# Altium PCB Whitespace_Daughtercard.PcbDoc (part 1 of 5) (continued)
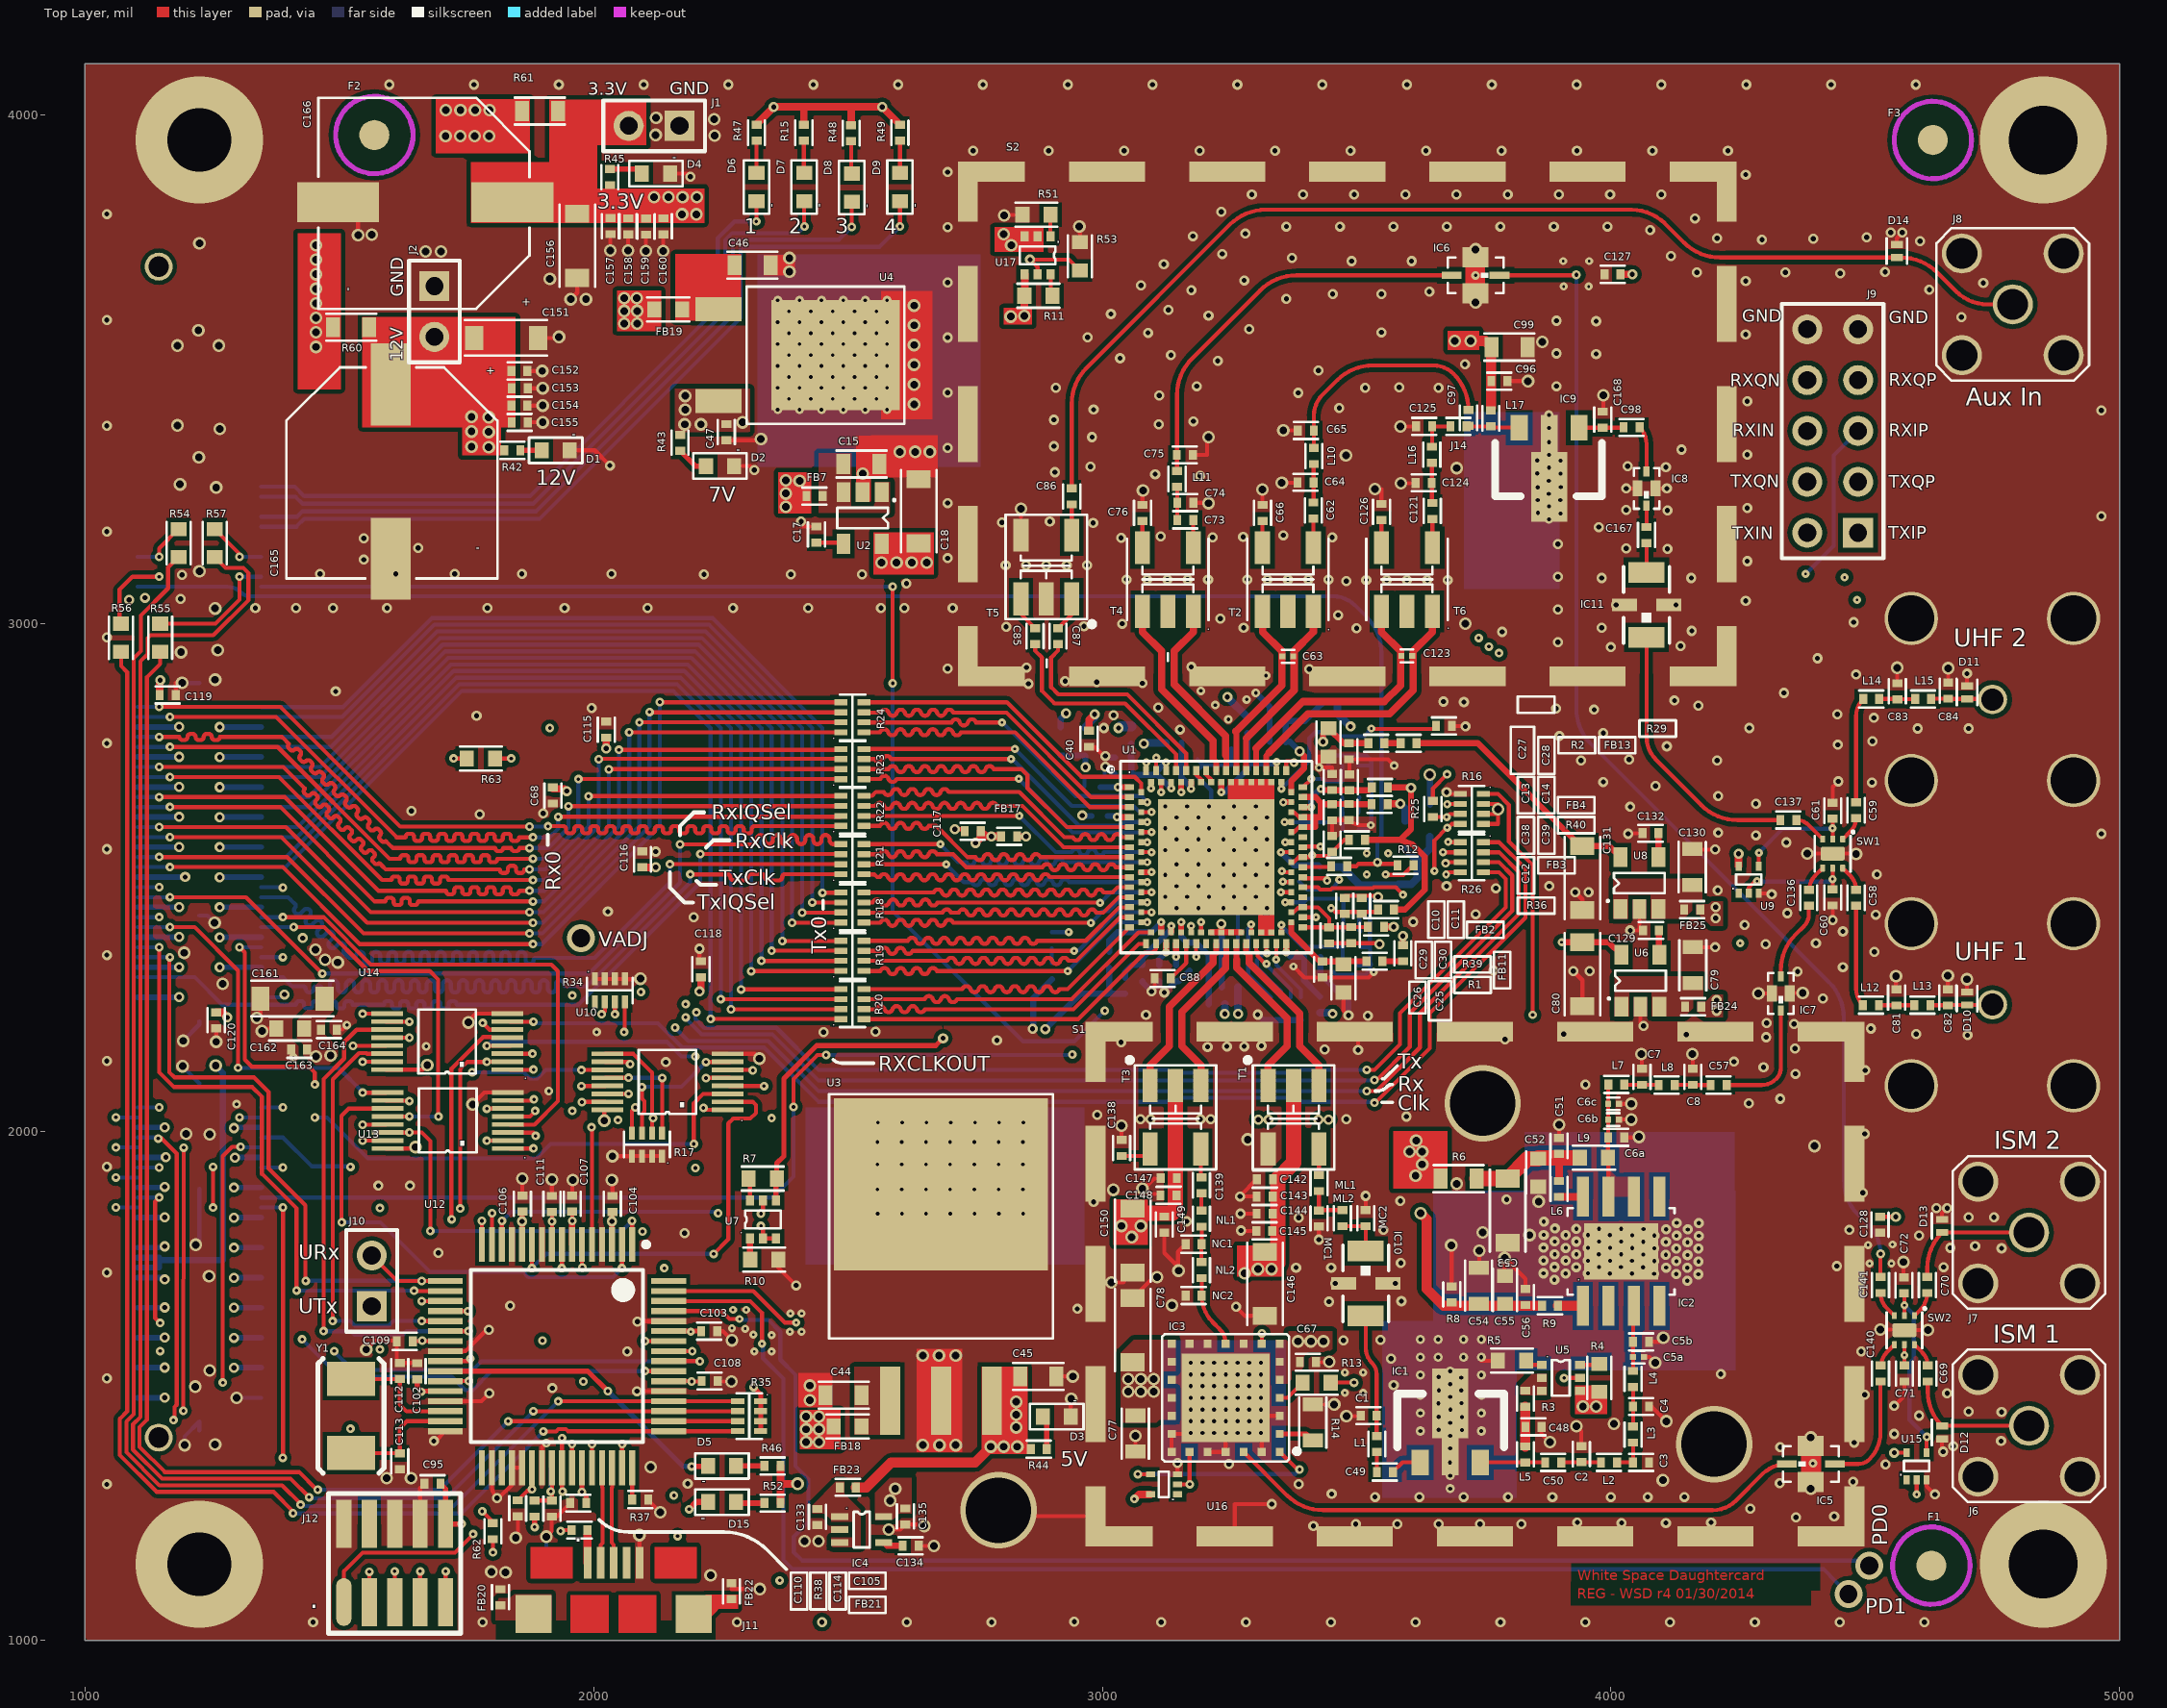
[diagram p0: Top Layer view]
## Components (designator, comment, footprint, x,y, rotation, side; value= is the part's Value field where it differs from the comment) (continued)
C109 "0402 X7R 10%" 0402_SMT_V3 1613,1588 r0 top
C110 "0402 X7R 10%" 0402_SMT_V3 1851,1244 r90 top
C111 "0402 X7R 10%" 0402_SMT_V3 1918,1874 r270 top
C112 "0402" 0402_SMT_v3 1619,1514 r90 top
C113 "0402" 0402_SMT_v3 1619,1368 r270 top
C114 "0402 X7R 10%" 0402_SMT_V3 1918,1275 r270 top
C115 "0402" 0402_SMT_v3 2025,2775 r90 top
C116 "0402" 0402_SMT_v3 2096,2520 r90 top
C117 "0402" 0402_SMT_v3 2761,2591 r180 top
C118 "0402" 0402_SMT_v3 2211,2304 r90 top
C119 "0402" 0402_SMT_v3 1147,2859 r0 top
C120 "0402" 0402_SMT_v3 1258,2235 r270 top
C121 "0402" 0402_SMT_v3 3649,3205 r90 top
C123 "0201" 0201_SMT_v3 3582,2930 r0 top
C124 "0402 SIM" 0402_SMT_v3 3616,3276 r0 top
C125 "0402 SIM" 0402_SMT_v3 3617,3387 r0 top
C126 "0402" 0402_SMT_v3 3549,3203 r90 top
C127 "0402" 0402_SMT_v3 4019,3686 r180 top
C128 "0402" 0402_SMT_v3 4529,1833 r270 top
C129 "0402 X7R" 0402_SMT_v3 4063,2396 r0 top
C130 "0805 X7R 10%" 0805_SMT_v3 4160,2556 r270 top
C131 "1206 X7R 10%" 1206_SMT_v3 3944,2436 r90 top
C132 "0402 X7R" 0402_SMT_v3 4062,2587 r0 top
C133 "0402" 0402_SMT_v3 2440,1227 r90 top
C134 "0402 X7R" 0402_SMT_v3 2639,1186 r180 top
C135 "0402" 0402_SMT_v3 2613,1228 r90 top
C136 "Cap SIM" 0402_SMT_V3 4389,2476 r270 top
C137 "Cap SIM" 0402_SMT_V3 4333,2613 r0 top
C138 "0402 SIM" 0402_SMT_v3 3038,1984 r270 top
C139 "0402 SIM" 0402_SMT_v3 3195,1879 r90 top
C140 "0402" 0402_SMT_v3 4530,1509 r90 top
C141 "0402" 0402_SMT_v3 4530,1683 r90 top
C142 "BP 0402" 0402_SMT_v3 3304,1907 r0 top
C143 "BP 0402" 0402_SMT_v3 3335,1873 r180 top
C144 "BP 0402" 0402_SMT_v3 3335,1839 r180 top
C145 "BP 0402" 0402_SMT_V3 3303,1805 r0 top
C146 "1206 50V" 1206_SMT_v3 3320,1638 r90 top
C147 "BP 0402" 0402_SMT_v3 3115,1909 r0 top
C148 "BP 0402" 0402_SMT_v3 3146,1875 r180 top
C149 "BP 0402" 0402_SMT_V3 3122,1802 r90 top
C150 "1206 50V" 1206_SMT_v3 3060,1723 r90 top
C151 "1206 50V" 1206_SMT_v3 1891,3561 r180 top
C152 "BP 0402" 0402_SMT_V3 1870,3496 r180 top
C153 "BP 0402" 0402_SMT_v3 1839,3462 r0 top
C154 "BP 0402" 0402_SMT_v3 1870,3428 r180 top
C155 "BP 0402" 0402_SMT_v3 1839,3395 r0 top
C156 "1206 50V" 1206_SMT_v3 1968,3679 r90 top
C157 "BP 0402" 0402_SMT_V3 2033,3765 r90 top
C158 "BP 0402" 0402_SMT_v3 2068,3796 r270 top
C159 "BP 0402" 0402_SMT_v3 2103,3764 r90 top
C160 "BP 0402" 0402_SMT_v3 2137,3796 r270 top
C161 "1206 50V" 1206_SMT_v3 1345,2262 r0 top
C162 "BP 0603" 0603_SMT_v3 1431,2203 r180 top
C163 "BP 0402" 0402_SMT_v3 1437,2162 r180 top
C164 "BP 0402" 0402_SMT_v3 1464,2201 r0 top
C165 "Cap Pol DNP" PANASONIC_ELEC_CAP_G_v2 1601,3298 r180 top
C166 "Cap Pol DNP" PANASONIC_ELEC_CAP_G_v2 1669,3828 r90 top
C167 "0402 Cap SIM" 0402_SMT_V3 4070,3157.62 r90 top
C168 "0402 DNP" 0402_SMT_v3 3984,3416 r270 top
D1 "Red 0603" 0603_POLAR 1898,3340 r0 top
D2 "Red 0603" 0603_POLAR 2221,3309 r0 top
D3 "Red 0603" 0603_POLAR 2883,1440 r0 top
D4 "Red 0603" 0603_POLAR 2095,3884 r0 top
D5 "Green 0603" 0603_POLAR 2280,1343 r180 top
D6 "Red 0603" 0603_POLAR 2320.33,3885.12 r270 top
D7 "Green 0603" 0603_POLAR 2414,3885.12 r270 top
D8 "Red 0603" 0603_POLAR 2507.67,3884.12 r270 top
D9 "Green 0603" 0603_POLAR 2602.33,3885.12 r270 top
D10 "0.2pF 5.3V 20kV 40/5A" TSLP-2-17 4700,2262 r0 top
D11 "0.2pF 5.3V 20kV 40/5A" TSLP-2-17 4700,2864 r0 top
D12 "0.2pF 5.3V 20kV 40/5A" TSLP-2-17 4651,1409 r180 top
D13 "0.2pF 5.3V 20kV 40/5A" TSLP-2-17 4651,1815 r0 top
D14 "0.2pF 5.3V 20kV 40/5A" TSLP-2-17 4562,3732 r0 top
D15 "Red 0603" 0603_POLAR 2280,1272 r180 top
F1 "Fiducial_1.5mm" 1.5mm_FIDUCIAL_v4 4630,1147 r0 top
F2 "Fiducial_1.5mm" 1.5mm_FIDUCIAL_v4 1569,3960 r0 top
F3 "Fiducial_1.5mm" 1.5mm_FIDUCIAL_v4 4633,3950 r0 top
FB1 "0402" 0402_SMT_v3 3014,2354 r270 bottom
FB2 "0402" 0402_SMT_v3 3542,2437 r0 top
FB3 "0402" 0402_SMT_v3 3485,2574 r0 top
FB4 "0402" 0402_SMT_v3 3530,2677 r0 top
FB5 "0402" 0402_SMT_v3 3045,2303 r270 bottom
FB6 "0402" 0402_SMT_v3 3235,2284 r0 bottom
FB7 "0402" 0402_SMT_v3 2450,3250.02 r180 top
FB8 "0402" 0402_SMT_v3 3285,2784 r90 bottom
FB9 "0402" 0402_SMT_v3 3156,2765 r180 bottom
FB10 "0402" 0402_SMT_v3 3057,2766 r90 bottom
FB11 "0402" 0402_SMT_v3 3591,2367 r270 top
FB12 "0402" 0402_SMT_v3 3428,2266 r270 bottom
FB13 "0402" 0402_SMT_v3 3618,2764 r180 top
FB14 "0402" 0402_SMT_v3 3241,2251 r180 bottom
FB15 "0402" 0402_SMT_v3 3459,2521 r180 bottom
FB16 "0402" 0402_SMT_v3 3431,2841 r0 bottom
FB17 "0402" 0402_SMT_v3 2801,2581 r0 top
FB18 "0603" 0603_SMT_v3 2472,1421 r0 top
FB19 "0603" 0603_SMT_v3 2119,3617 r0 top
FB20 "0402 100MHz/120/500mA" 0402_SMT_v3 1817,1069 r90 top
FB21 "0402 100MHz/120/500mA" 0402_SMT_v3 1988,1217 r180 top
FB22 "0402 100MHz/120/500mA" 0402_SMT_v3 2271,1081 r90 top
FB23 "0402" 0402_SMT_v3 2484,1301 r0 top
FB24 "0402" 0402_SMT_v3 4146,2246 r0 top
FB25 "0402" 0402_SMT_v3 4144,2437 r0 top
Heatsink "Tap & Screw" HeatSinkUSA_1800 3522,1614 r180 bottom locked
IC1 "TQP3M9009_SOT89" TQP3M9009_SOT-89_v6 3624.89,1325 r0 top
IC2 "RFPA3800" RFPA3800_SOIC-8_v2 4020,1765 r90 top
IC3 "Power" RFFM4202 3242.63,1476.92 r180 top
IC4 "TSP717xx" SC70-5 2527,1218 r270 top
IC5 "2W, 1.5dB attn" 2450BP15E0100 4393,1347 r0 top
IC6 "2W, 1.5dB attn" 2450BP15E0100 3734,3684 r180 top
IC7 "470-770MHz" "FI168B/L Taido Yuden" 4334,2272 r90 top
IC8 "470-770MHz" "FI168B/L Taido Yuden" 4070,3265 r90 top
IC9 "TQP3M9009_SOT89" TQP3M9009_SOT-89_v6 3937.46,3409.77 r180 top
IC10 "500-2500 HPF" HFCN-440+_v2 3518,1702 r270 top
IC11 "500-2500 HPF" HFCN-440+_v2 4070,3036 r90 top
J1 "AUX_3.3V" HDR1X2 2169,3978 r180 top
J2 "AUX_12V" HDR1X2 1687,3663 r270 top
J3 "ASP-122952-01" ASP-122952-01 1225,2550 r270 bottom
J4 "F_PCB_FEMALE_RT_ANGLE" F_RT_ANGLE_PCB_FEMALE_5-1634540-1 4750,2250 r0 bottom locked
J5 "F_PCB_FEMALE_RT_ANGLE" F_RT_ANGLE_PCB_FEMALE_5-1634540-1 4750,2850 r0 bottom locked
J6 "SMA_THRU_RT_ANGLE" SMA_PCB_RtAngle_Female_MolexSD-73391-008_v4 4822,1422 r270 top locked
J7 "SMA_THRU_RT_ANGLE" SMA_PCB_RtAngle_Female_MolexSD-73391-008_v4 4822,1802 r270 top locked
J8 "SMA_THRU_RT_ANGLE" SMA_PCB_RtAngle_Female_MolexSD-73391-008_v4 4790,3627 r270 top locked
J9 "Header 5X2A" HDR2X5_CEN 4486,3178 r90 top locked
J10 "UART" HDR1X2 1564,1657 r90 top
J11 "USB-MICRO-B-SMT" USB_MICROB_SMT_R3 1876,1184 r0 top
J12 "5x2 1.27mm" 1.27mm_2x5_SMT_HDR 1509,1229 r0 top
J14 "0402 DNP" 0402_SMT_v3 3716,3387 r180 top
L1 "0402 SIM" 0402_SMT_V3 3539.89,1402 r270 top
L2 "0402  SIM" 0402_SMT_V3 3980.39,1350 r0 top
L3 "0402 SIM" 0402_SMT_V3 4043.5,1389 r90 top
L4 "0402 SIM" 0402_SMT_V3 4043.5,1498.5 r90 top
L5 "0402" 0402_SMT_V3 3831.89,1350 r90 top
L6 "0402 1W" 0402_SMT_V3 3898,1872 r90 top
L7 "0402 SIM" 0402_SMT_V3 3995,2093 r0 top
L8 "0402 SIM" 0402_SMT_V3 4094,2092 r0 top
L9 "0603 1.5A  SIM" 0603_SMT_v3 3994,1949 r180 top
L10 "0402 SIM" 0402_SMT_v3 3416,3313 r90 top
L11 "0402 SIM" 0402_SMT_v3 3147,3268 r90 top
L12 "0402" 0402_SMT_v3 4495.5,2249 r0 top
L13 "0402" 0402_SMT_v3 4596.5,2249 r0 top
L14 "0402" 0402_SMT_v3 4496,2851 r0 top
L15 "0402" 0402_SMT_v3 4598,2851 r0 top
L16 "0402 SIM" 0402_SMT_v3 3648,3347 r270 top
L17 "0402" 0402_SMT_v3 3764,3387 r90 top
MC1 "0402 SIM" 0402_SMT_V3 3426,1814 r90 top
MC2 "0402 SIM" 0402_SMT_V3 3518,1846 r270 top
ML1 "0402 SIM" 0402_SMT_V3 3426,1915 r270 top
ML2 "0402 SIM" 0402_SMT_V3 3472,1846 r270 top
NC1 "0402  SIM" 0402_SMT_v3 3164,1779 r0 top
NC2 "0402 SIM" 0402_SMT_v3 3164,1678 r0 top
NL1 "0402 SIM" 0402_SMT_v3 3195,1845 r270 top
NL2 "0402 SIM" 0402_SMT_v3 3195,1744 r270 top
R1 "0402" 0402_SMT_v3 3519.5,2335.5 r0 top
R2 "0402" 0402_SMT_v3 3523,2764 r0 top
R3 "0402" 0402_SMT_V3 3831.89,1491 r270 top
R4 "0603" 0603_SMT_v3 3977,1544 r270 top
R5 "0603" 0603_SMT_v3 3778,1550 r0 top
R6 "0805, 2W" 0805_SMT_v3 3736,1908 r180 top
R7 "0603" 0603_SMT_v3 2305,1908 r0 top
R8 "0402" 0402_SMT_V3 3687,1696 r270 top
R9 "Bias 0402" 0402_SMT_V3 3896,1658 r180 top
R10 "0603" 0603_SMT_v3 2363,1749 r180 top
R11 "0603" 0603_SMT_v3 2902,3644 r180 top
R12 "0402" 0402_SMT_v3 3612,2524 r180 top
R13 "0603" 0603_SMT_v3 3394,1507 r0 top
R14 "0805" 0805_SMT_v3 3414,1393 r90 top
R15 "0402" 0402_SMT_v3 2413.33,3980.12 r270 top
R16 "10kOhm Array" 741X083_ChipArray_0402x4_v2 3726.36,2634.84 r270 top
R17 "10kOhm Array" 741X083_ChipArray_0402x4_v2 2105,1975 r180 top
R18 "22 Ohm Array" 741X083_ChipArray_0402x4_v2 2509,2441 r90 top
R19 "22 Ohm Array" 741X083_ChipArray_0402x4_v2 2509,2346 r90 top
R20 "22 Ohm Array" 741X083_ChipArray_0402x4_v2 2509,2251 r90 top
R21 "22 Ohm Array" 741X083_ChipArray_0402x4_v2 2509,2536 r90 top
R22 "22 Ohm Array" 741X083_ChipArray_0402x4_v2 2509,2631 r90 top
R23 "22 Ohm Array" 741X083_ChipArray_0402x4_v2 2509,2723 r90 top
R24 "22 Ohm Array" 741X083_ChipArray_0402x4_v2 2509,2815 r90 top
R25 "0402" 0402_SMT_v3 3650,2619 r90 top
R26 "47 Ohm Array" 741X083_ChipArray_0402x4_v2 3726.36,2539.84 r270 top
R27 "0402 1%" 0402_SMT_v3 2901,2361 r90 bottom
R28 "0402 1%" 0402_SMT_v3 2901,2300 r90 bottom
R29 "0402 1%" 0402_SMT_v3 3656,2798 r0 top
R30 "0402" 0402_SMT_v3 3472,2689 r270 bottom
R31 "0402" 0402_SMT_v3 3506,2689 r270 bottom
R32 "0402" 0402_SMT_v3 3473.5,2363 r90 bottom
R33 "0402" 0402_SMT_v3 3507.5,2363 r90 bottom
R34 "10kOhm Array" 741X083_ChipArray_0402x4_v2 2032,2278 r0 top
R35 "10kOhm Array" 741X083_ChipArray_0402x4_v2 2306,1441 r270 top
R36 "0402" 0402_SMT_v3 3450,2522 r0 top
R37 "1% Tol 0402" 0402_SMT_v3 2076,1277 r0 top
R38 "0402 Pullup" 0402_SMT_v3 1884,1275 r270 top
R39 "0402" 0402_SMT_v3 3554,2403 r180 top
R40 "0402" 0402_SMT_v3 3561,2644 r180 top
R41 "47 Ohm Array" 741X083_ChipArray_0402x4_v2 3361,2242 r0 bottom
R42 "0402" 0402_SMT_v3 1856,3340 r180 top
R43 "0402" 0402_SMT_v3 2170,3339 r90 top
R44 "0402" 0402_SMT_v3 2891,1376 r180 top
R45 "0402" 0402_SMT_v3 2032,3893 r270 top
R46 "0402" 0402_SMT_v3 2336,1343 r0 top
R47 "0402" 0402_SMT_v3 2320.33,3980.12 r270 top
R48 "0402" 0402_SMT_v3 2506.33,3979.12 r270 top
R49 "0402" 0402_SMT_v3 2602.33,3980.12 r270 top
R51 "0603" 0603_SMT_v3 2843,3803 r0 top
R52 "0402" 0402_SMT_v3 2336,1270 r0 top
R53 "0603" 0603_SMT_v3 2956,3749 r270 top
R54 "0603 DNP" 0603_SMT_v3 1184,3130 r90 top
R55 "0603 DNP" 0603_SMT_v3 1148,2944 r90 top
R56 "0603 DNP" 0603_SMT_v3 1071,2944 r90 top
R57 "0603 DNP" 0603_SMT_v3 1255,3130 r90 top
R58 "0603" 0603_SMT_v3 3596,2611 r270 bottom
R59 "0603 DNP" 0603_SMT_v3 3644,2635 r270 bottom
R60 "0805, 2A DC, 5A peak" 0805_SMT_v3 1559,3582 r180 top
R61 "0805, 2A DC, 5A peak" 0805_SMT_v3 1930,4007 r180 top
R62 "0402 DNP" 0402_SMT_V3 1802,1199 r90 top
R63 "0603 DNP" 0603_SMT_v3 1806,2734 r180 top
R102 "0603" 0603_SMT_v3 2918,2740 r90 bottom
R103 "0603 DNP" 0603_SMT_v3 2966,2740 r90 bottom
S1 "BMIS-205" BMIS-205 2967.06,1185.19 r0 top locked
S2 "BMIS-205" BMIS-205 2716,2876 r0 top locked
SW1 "SKY13381-374LF" SKY13381-374LF_v6 4436,2547 r270 top
SW2 "SKY13381-374LF" SKY13381-374LF_v6 4577,1610 r270 top
SW3 "DNP" PUSHBUTTON_SW2_SMT 2288,1162 r90 bottom
T1 "TC4-14+" AT224-1_V2 3326,1966 r0 top locked
T2 "TC1-1-13MX+" AT1521_MiniCircuits#1 3365,3086 r180 top locked
T3 "TC4-25X+" AT224-1_V2 3094,1966 r0 top locked
T4 "TC1-1-13MX+" AT1521_MiniCircuits#1 3129,3086 r180 top locked
T5 "TC4-25X+" AT224-1_V2 2940,3173.2 r180 top
T6 "TC1-1-13MX+" AT1521_MiniCircuits#2 3599,3086 r180 top
U1 "LMS6002" LMS6002D_VIAOFFPAD_v2_Window 3224,2540 r0 top
U2 "1.8V, 150mA" SOT-23_5Lead 2529,3207.02 r180 top
U3 "5V, 1500mA LDO" TO-263 2683,1684 r0 top
U4 "7V, 1000mA LDO" TO252-3 2401,3527 r270 top
U5 "FDG6331L" SC-70-6#1 3939,1516 r270 top
U6 "1.8V, 150mA" SOT-23_5Lead 4058,2297 r0 top
U7 "FDG6331L" SC-70-6#1 2333,1865 r0 top
U8 "1.8V, 150mA" SOT-23_5Lead 4056,2489 r0 top
U9 "SN74AUP1G04DRLR" DRL_R-PDSO-N5_v2 4271,2531 r0 top
U10 "SN74CB3Q3257DGVR" TVSOP16_v5 2146,2098 r180 top
U12 "LM3S5R36" PQFP-64-TI_Stellaris 1928,1559 r270 top
U13 "SN74CB3Q3257DGVR" TVSOP16_v5 1714,2022 r180 top
U14 "SN74CB3Q3257DGVR" TVSOP16_v5 1713,2177 r180 top
U15 "SN74AUP1G04DRLR" DRL_R-PDSO-N5_v2 4601,1378 r0 top
U16 "SN74AUP1G04DRLR" DRL_R-PDSO-N5_v2 3086,1307 r90 top
U17 "FDG6331L" SC-70-6#2 2873,3686 r180 top
Y1 "7A-16.000MAAJ-T" XTAL_SMT_5_3-2_v2 1523,1514 r270 top

## Footprints (in the part's own frame and the unit in brackets; to place one, negate y for a bottom-side part, rotate by r counter-clockwise, add the part's x,y. Pads: shape width x height; smd on the part's side, far side on the other; paste and mask are expansions set on the pad)
1.5mm_FIDUCIAL_v4 [mm] "Fiducial Mark - large size w 1mm clearance"
  round 1.5 all layers, no hole paste-0.75 mask+1: 0(0,0)
  Top Layer keep-out circle w0.254: c0,0 r1.934
  Bottom Layer keep-out circle w0.254: c0,0 r1.934
1.27mm_2x5_SMT_HDR [mm] "2x5 SMT Pin Header, 1.27mm Pitch"
  oval 0.76x2.4 smd: 1(0,-3.9)
  rect 0.76x2.4 smd: 2(1.27,-3.9) 3(2.54,-3.9) 4(3.81,-3.9) 5(5.08,-3.9) 6(0,0) 7(1.27,0) 8(2.54,0) 9(3.81,0) 10(5.08,0)
  silkscreen extent -0.76,-5.46 5.84,1.52
0201_SMT_V3 [mm] "0201 Chip Cap, Res, Ind"
  rect 0.3x0.3 smd: 1(0.15,0.15) 2(0.7,0.15)
  silkscreen extent 0.13,-0.17 0.75,0.47, body extent 0.13,0 0.73,0.3, height 0.25
0201_SMT_v3 [mm] "0201 Chip Cap, Res, Ind"
  rect 0.3x0.3 smd: 1(0.15,0.15) 2(0.7,0.15)
  silkscreen extent 0.13,-0.17 0.75,0.47, body extent 0.13,0 0.73,0.3, height 0.25
0402_SMT_V3 [mm] "0402 Chip Cap, Res, Ind"
  rect 0.4x0.5 smd: 1(0,0) 2(0.8,0)
  silkscreen extent -0.2,-0.43 1,0.43, body extent -0.1,-0.25 0.9,0.25, height 0.35
0402_SMT_v3 [mm] "0402 Chip Cap, Res, Ind"
  rect 0.4x0.5 smd: 1(0,0) 2(0.8,0)
  silkscreen extent -0.2,-0.43 1,0.43, body extent -0.1,-0.25 0.9,0.25, height 0.35
0603_POLAR [mm] "0603 Chip LED w/ Polarity"
  rect 0.7x0.8 smd: +(0,0) -(1.4,0)
  silkscreen extent -0.64,-0.64 2.03,0.64, body extent -0.1,-0.4 1.5,0.4, height 0.5
0603_SMT_v3 [mm] "0603 Chip Cap, Res, Ind"
  rect 0.7x0.8 smd: 1(0,0) 2(1.4,0)
  silkscreen extent -0.35,-0.6 1.75,0.6, body extent -0.1,-0.4 1.5,0.4, height 0.5
0603_SMT_V3 [mm] "0603 Chip Cap, Res, Ind"
  rect 0.7x0.8 smd: 1(0,0) 2(1.4,0)
  silkscreen extent -0.35,-0.6 1.75,0.6, body extent -0.1,-0.4 1.5,0.4, height 0.5
741X083_ChipArray_0402x4_v2 [mm] "CTS Chip Array, 4x 0402 Parts for 741X083, 741C083 Part Code"
  rect 0.3x0.65 smd paste-0.03: 1(-0.75,0.575) 2(-0.25,0.575) 3(0.25,0.575) 4(0.75,0.575) 5(0.75,-0.575) 6(0.25,-0.575) 7(-0.25,-0.575) 8(-0.75,-0.575)
  silkscreen extent -1.14,-0.64 1.14,0.64, body extent -1.1,-0.6 1.1,0.6, height 0.55
0805_SMT_v3 [mm] "0805 Chip Cap, Res, Ind"
  rect 0.7x1 smd: 1(0,0) 2(1.8,0)
  silkscreen extent -0.35,-0.67 2.15,0.67, body extent -0.1,-0.63 1.9,0.63, height 1
1206_SMT_v3 [mm] "1206 Chip Cap, Res, Ind"
  rect 0.9x1.2 smd: 1(0,0) 2(3.2,0)
  silkscreen extent -0.45,-0.89 3.65,0.89, body extent 0,-0.8 3.2,0.8, height 1
2450BP15E0100 [mm] "Johanson 2450 MHz Band Pass Filter"
  rect 1.3x1 smd: 1(0,0.9) 3(0,-0.9)
  rect 1x0.35 smd: 2(1.2,0) 4(-1.2,0)
  silkscreen extent -1.4,-0.89 1.4,0.89, body extent -1.08,-0.67 1.08,0.67, height 0.66
ASP-122952-01 [mm] "Samtec HSMC Daughtercard Connector"
  rect 0.3x1.45 smd: 1(-27.25,3.09) 2(-27.25,-3.09) 3(-26.75,3.09) 4(-26.75,-3.09) 5(-25.75,3.09) 6(-25.75,-3.09) 7(-25.25,3.09) 8(-25.25,-3.09) 9(-24.25,3.09) 10(-24.25,-3.09) 11(-23.75,3.09) 12(-23.75,-3.09) 13(-22.75,3.09) 14(-22.75,-3.09) 15(-22.25,3.09) 16(-22.25,-3.09) 17(-21.25,3.09) 18(-21.25,-3.09) 19(-20.75,3.09) 20(-20.75,-3.09) 21(-19.75,3.09) 22(-19.75,-3.09) 23(-19.25,3.09) 24(-19.25,-3.09) 25(-18.25,3.09) 26(-18.25,-3.09) 27(-17.75,3.09) 28(-17.75,-3.09) 29(-16.75,3.09) 30(-16.75,-3.09) 31(-16.25,3.09) 32(-16.25,-3.09) 33(-15.25,3.09) 34(-15.25,-3.09) 35(-14.75,3.09) 36(-14.75,-3.09) 37(-13.75,3.09) 38(-13.75,-3.09) 39(-13.25,3.09) 40(-13.25,-3.09) 41(-7.25,3.09) 42(-7.25,-3.09) 43(-6.75,3.09) 44(-6.75,-3.09) 45(-6.25,3.09) 46(-6.25,-3.09) 47(-5.75,3.09) 48(-5.75,-3.09) 49(-5.25,3.09) 50(-5.25,-3.09) 51(-4.75,3.09) 52(-4.75,-3.09) 53(-4.25,3.09) 54(-4.25,-3.09) 55(-3.75,3.09) 56(-3.75,-3.09) 57(-3.25,3.09) 58(-3.25,-3.09) 59(-2.75,3.09) 60(-2.75,-3.09) 61(-2.25,3.09) 62(-2.25,-3.09) 63(-1.75,3.09) 64(-1.75,-3.09) 65(-1.25,3.09) 66(-1.25,-3.09) 67(-0.75,3.09) 68(-0.75,-3.09) 69(-0.25,3.09) 70(-0.25,-3.09) 71(0.25,3.09) 72(0.25,-3.09) 73(0.75,3.09) 74(0.75,-3.09) 75(1.25,3.09) 76(1.25,-3.09) 77(1.75,3.09) 78(1.75,-3.09) 79(2.25,3.09) 80(2.25,-3.09) 81(2.75,3.09) 82(2.75,-3.09) 83(3.25,3.09) 84(3.25,-3.09) 85(3.75,3.09) 86(3.75,-3.09) 87(4.25,3.09) 88(4.25,-3.09) 89(4.75,3.09) 90(4.75,-3.09) 91(5.25,3.09) 92(5.25,-3.09) 93(5.75,3.09) 94(5.75,-3.09) 95(6.25,3.09) 96(6.25,-3.09) 97(6.75,3.09) 98(6.75,-3.09) 99(7.25,3.09) 100(7.25,-3.09) 101(12.75,3.09) 102(12.75,-3.09) 103(13.25,3.09) 104(13.25,-3.09) 105(13.75,3.09) 106(13.75,-3.09) 107(14.25,3.09) 108(14.25,-3.09) 109(14.75,3.09) 110(14.75,-3.09) 111(15.25,3.09) 112(15.25,-3.09) 113(15.75,3.09) 114(15.75,-3.09) 115(16.25,3.09) 116(16.25,-3.09) 117(16.75,3.09) 118(16.75,-3.09) 119(17.25,3.09) 120(17.25,-3.09) 121(17.75,3.09) 122(17.75,-3.09) 123(18.25,3.09) 124(18.25,-3.09) 125(18.75,3.09) 126(18.75,-3.09) 127(19.25,3.09) 128(19.25,-3.09) 129(19.75,3.09) 130(19.75,-3.09) 131(20.25,3.09) 132(20.25,-3.09) 133(20.75,3.09) 134(20.75,-3.09) 135(21.25,3.09) 136(21.25,-3.09) 137(21.75,3.09) 138(21.75,-3.09) 139(22.25,3.09) 140(22.25,-3.09) 141(22.75,3.09) 142(22.75,-3.09) 143(23.25,3.09) 144(23.25,-3.09) 145(23.75,3.09) 146(23.75,-3.09) 147(24.25,3.09) 148(24.25,-3.09) 149(24.75,3.09) 150(24.75,-3.09) 151(25.25,3.09) 152(25.25,-3.09) 153(25.75,3.09) 154(25.75,-3.09) 155(26.25,3.09) 156(26.25,-3.09) 157(26.75,3.09) 158(26.75,-3.09) 159(27.25,3.09) 160(27.25,-3.09)
  rect 2.54x0.64 smd: 161(-28.445,0) 164(-11.555,0) 165(-8.445,0) 168(8.445,0) 169(11.555,0) 172(28.445,0)
  rect 4.7x0.64 smd: 162(-23.175,0) 163(-16.825,0) 166(-3.175,0) 167(3.175,0) 170(16.825,0) 171(23.175,0)
  round 1.397 hole 1.02 unplated: 173(-29.24,2.03) 174(29.24,2.03)
  silkscreen extent -30.99,-4.1 30.5,4.1, body extent -30.26,-3.05 30.01,2.98, height 4.34
AT224-1_V2 [mm] "Mini-Circuits AT224-1 Case for TC4-14+"
  rect 0.76x1.65 smd: 1(0,3.18) 2(1.27,3.18) 3(2.54,3.18) 4(2.54,0) 6(0,0)
  silkscreen extent -1.14,-1.02 3.3,4.57, body extent -0.64,-0.38 3.17,3.43, height 4.06
AT1521_MiniCircuits#1 [mm] "AT1521 Footprint for MiniCircuits Transformers"
  rect 0.76x1.65 smd paste-0.05: 1(-1.27,1.59) 2(0,1.59) 3(1.27,1.59) 4(1.27,-1.59) 6(-1.27,-1.59)
  silkscreen extent -2.03,-2.03 2.03,2.03, body extent -1.91,-1.91 1.91,1.91, height 4.06
AT1521_MiniCircuits#2 [mm] "AT1521 Footprint for MiniCircuits Transformers"
  rect 0.76x1.65 smd paste-0.05 mask+0.05: 1(-1.27,1.59) 2(0,1.59) 3(1.27,1.59) 4(1.27,-1.59) 6(-1.27,-1.59)
  silkscreen extent -2.03,-2.03 2.03,2.03, body extent -1.91,-1.91 1.91,1.91, height 4.06
BMIS-205 [mm] "LairdTech EMI 2-part Shield Footprint 1.0 x 1.5 in"
  rect 1x3 smd paste-0.05: GND(0.5,1.5) GND(0.5,24.7) GND(38.4,1.5) GND(38.4,24.7)
  rect 1x3.8 smd paste-0.05: GND(0.5,7.1) GND(0.5,13.1) GND(0.5,19.1) GND(38.4,7.1) GND(38.4,13.1) GND(38.4,19.1)
  rect 3.35x1 smd paste-0.05: GND(1.675,0.5) GND(1.675,25.7) GND(37.225,0.5) GND(37.225,25.7)
  rect 3.8x1 smd paste-0.05: GND(7.45,0.5) GND(7.45,25.7) GND(13.45,0.5) GND(13.45,25.7) GND(19.45,0.5) GND(19.45,25.7) GND(25.45,0.5) GND(25.45,25.7) GND(31.45,0.5) GND(31.45,25.7)
DRL_R-PDSO-N5_v2 [mm] "SN74AUP1G06DRLR_SOT_Inverter"
  rect 0.3x0.45 smd mask+0.05: 1(-0.5,-1.575) 2(0,-1.575) 3(0.5,-1.575) 4(0.5,-0.225) 5(-0.5,-0.225)
  silkscreen extent -0.64,-1.14 0.64,-0.64, body extent -0.85,-1.5 0.85,-0.2, height 0.6
F_RT_ANGLE_PCB_FEMALE_5-1634540-1 [mm] "TE Connectivity 5-1634540-1 F-Type PCB Female Rt-Angle Mount"
  round 1.473 hole 1.1: 1(0,0)
  round 2.667 hole 2.3: GND(-4.05,-4.05) GND(-4.05,4.05) GND(4.05,-4.05) GND(4.05,4.05)
  silkscreen extent -5.46,-5.46 5.46,5.46, body extent -4.75,-4.75 23.25,4.75, height 13.1
"FI168B/L Taido Yuden" [mm] "Taido Yuden Band- and Low-Pass Ceramic Filter for FI168 Type"
  rect 0.5x0.3 smd: 1(-0.85,0) 2(0.85,0)
  rect 0.8x0.5 smd: 3(0,0.45) 3(0,-0.45)
  silkscreen extent -1.02,-0.64 1.02,0.64, body extent -0.85,-0.45 0.85,0.45, height 0.5
HDR1X2 [mm] "Connector; Header; 2 Position"
  rect 1.5x1.5 hole 0.9: 1(0,0)
  round 1.5 hole 0.9: 2(2.54,0)
  silkscreen extent -1.27,-1.27 3.81,1.27
HDR2X5_CEN [mm] "Connector; Header; 5x2 Position"
  rect 1.5x1.5 hole 0.9: 1(0,0)
  round 1.5 hole 0.9: 2(2.54,0) 3(5.08,0) 4(7.62,0) 5(10.16,0) 6(0,2.54) 7(2.54,2.54) 8(5.08,2.54) 9(7.62,2.54) 10(10.16,2.54)
  silkscreen extent -1.27,-1.27 11.43,3.81
HeatSinkUSA_1800 [mil] "HeatSinkUSA 1.8\" Heat Sink"
  silkscreen extent -910,-555 910,555, body extent -907,-550 907,550, height 1250
HFCN-440+_v2 [mil] "Mini-Circuits High-Pass 500-2500 MHz SMT High-Pass Filter"
  rect 41x71 smd: 1(-64,0) 3(64,0)
  rect 24x49 smd: 2(0,43.5) 4(0,-43.5)
  silkscreen extent -75,-45 75,45, body extent -63,-32 63,32, height 37
LMS6002D_VIAOFFPAD_v2_Window [mm] "Lime Microsystems Wideband Transceiver 300-3800MHz"
  rect 0.45x0.3 smd mask+0.05: 1(-4.325,3.5) 3(-4.325,3) 5(-4.325,2.5) 7(-4.325,2) 9(-4.325,1.5) 11(-4.325,1) 13(-4.325,0.5) 15(-4.325,0) 17(-4.325,-0.5) 19(-4.325,-1) 21(-4.325,-1.5) 23(-4.325,-2) 25(-4.325,-2.5) 27(-4.325,-3) 29(-4.325,-3.5) 59(4.325,-3.5) 61(4.325,-3) 63(4.325,-2.5) 65(4.325,-2) 67(4.325,-1.5) 69(4.325,-1) 71(4.325,-0.5) 73(4.325,0) 75(4.325,0.5) 77(4.325,1) 79(4.325,1.5) 81(4.325,2) 83(4.325,2.5) 85(4.325,3) 87(4.325,3.5)
  rect 0.3x0.3 smd mask+0.05: 2(-3.75,3.25) 4(-3.75,2.75) 6(-3.75,2.25) 8(-3.75,1.75) 10(-3.75,1.25) 12(-3.75,0.75) 14(-3.75,0.25) 16(-3.75,-0.25) 18(-3.75,-0.75) 20(-3.75,-1.25) 22(-3.75,-1.75) 24(-3.75,-2.25) 26(-3.75,-2.75) 28(-3.75,-3.25) 31(-3.25,-3.75) 33(-2.75,-3.75) 35(-2.25,-3.75) 37(-1.75,-3.75) 39(-1.25,-3.75) 41(-0.75,-3.75) 43(-0.25,-3.75) 45(0.25,-3.75) 47(0.75,-3.75) 49(1.25,-3.75) 51(1.75,-3.75) 53(2.25,-3.75) 55(2.75,-3.75) 57(3.25,-3.75) 60(3.75,-3.25) 62(3.75,-2.75) 64(3.75,-2.25) 66(3.75,-1.75) 68(3.75,-1.25) 70(3.75,-0.75) 72(3.75,-0.25) 74(3.75,0.25) 76(3.75,0.75) 78(3.75,1.25) 80(3.75,1.75) 82(3.75,2.25) 84(3.75,2.75) 86(3.75,3.25) 89(3.25,3.75) 91(2.75,3.75) 93(2.25,3.75) 95(1.75,3.75) 97(1.25,3.75) 99(0.75,3.75) 101(0.25,3.75) 103(-0.25,3.75) 105(-0.75,3.75) 107(-1.25,3.75) 109(-1.75,3.75) 111(-2.25,3.75) 113(-2.75,3.75) 115(-3.25,3.75)
  rect 0.3x0.45 smd mask+0.05: 30(-3.5,-4.325) 32(-3,-4.325) 34(-2.5,-4.325) 36(-2,-4.325) 38(-1.5,-4.325) 40(-1,-4.325) 42(-0.5,-4.325) 44(0,-4.325) 46(0.5,-4.325) 48(1,-4.325) 50(1.5,-4.325) 52(2,-4.325) 54(2.5,-4.325) 56(3,-4.325) 58(3.5,-4.325) 88(3.5,4.325) 90(3,4.325) 92(2.5,4.325) 94(2,4.325) 96(1.5,4.325) 98(1,4.325) 100(0.5,4.325) 102(0,4.325) 104(-0.5,4.325) 106(-1,4.325) 108(-1.5,4.325) 110(-2,4.325) 112(-2.5,4.325) 114(-3,4.325) 116(-3.5,4.325)
  rect 5.8x5.8 smd paste-6.8 mask-6.8: 121(0,0)
  silkscreen extent -5.42,-4.78 4.77,4.78, body extent -4.5,-4.5 4.5,4.5, height 0.6
PANASONIC_ELEC_CAP_G_v2 [mm] "Panasonic Type V, Series S, Body G Electrolytic Caps"
  rect 2x4.1 smd paste-0.075: 1(0,-4.35) 2(0,4.35)
  silkscreen extent -5.33,-5.21 5.21,5.33, body extent -5.25,-5.25 5.25,5.25, height 10.8
PQFP-64-TI_Stellaris [mm] "TSQFP, 64-Leads, Body 12.2x12.2mm (max), Pitch 0.50mm, IPC Medium Density"
  rect 1.75x0.3 smd: 1(-5.575,3.75) 2(-5.575,3.25) 3(-5.575,2.75) 4(-5.575,2.25) 5(-5.575,1.75) 6(-5.575,1.25) 7(-5.575,0.75) 8(-5.575,0.25) 9(-5.575,-0.25) 10(-5.575,-0.75) 11(-5.575,-1.25) 12(-5.575,-1.75) 13(-5.575,-2.25) 14(-5.575,-2.75) 15(-5.575,-3.25) 16(-5.575,-3.75) 33(5.575,-3.75) 34(5.575,-3.25) 35(5.575,-2.75) 36(5.575,-2.25) 37(5.575,-1.75) 38(5.575,-1.25) 39(5.575,-0.75) 40(5.575,-0.25) 41(5.575,0.25) 42(5.575,0.75) 43(5.575,1.25) 44(5.575,1.75) 45(5.575,2.25) 46(5.575,2.75) 47(5.575,3.25) 48(5.575,3.75)
  rect 0.3x1.75 smd: 17(-3.75,-5.575) 18(-3.25,-5.575) 19(-2.75,-5.575) 20(-2.25,-5.575) 21(-1.75,-5.575) 22(-1.25,-5.575) 23(-0.75,-5.575) 24(-0.25,-5.575) 25(0.25,-5.575) 26(0.75,-5.575) 27(1.25,-5.575) 28(1.75,-5.575) 29(2.25,-5.575) 30(2.75,-5.575) 31(3.25,-5.575) 32(3.75,-5.575) 49(3.75,5.575) 50(3.25,5.575) 51(2.75,5.575) 52(2.25,5.575) 53(1.75,5.575) 54(1.25,5.575) 55(0.75,5.575) 56(0.25,5.575) 57(-0.25,5.575) 58(-0.75,5.575) 59(-1.25,5.575) 60(-1.75,5.575) 61(-2.25,5.575) 62(-2.75,5.575) 63(-3.25,5.575) 64(-3.75,5.575)
  silkscreen extent -5.7,-4.3 4.3,4.58, body extent -5,-5 5,5, height 1.6
PUSHBUTTON_SW2_SMT [mm] "SMT Pushbutton Switch, Mouser 506-1571563-9"
  rect 1.4x2.1 smd: 1(4.5,0) 2(4.5,-9.1) 3(0,0) 4(0,-9.1)
  silkscreen extent -1.02,-10.54 5.59,1.4
RFFM4202 [mm] "RFFM4202_2.4GHZ_FEM_LAMINATE"
  rect 0.4x0.4 smd paste-0.02: 1(-2.7,2.7) 2(-2.7,1.8) 3(-2.7,0.9) 4(-2.7,0) 5(-2.7,-0.9) 6(-2.7,-1.8) 7(-2.7,-2.7) 8(-1.8,-2.7) 9(-0.9,-2.7) 10(0,-2.7) 11(0.9,-2.7) 12(1.8,-2.7) 13(2.7,-2.7) 14(2.7,-1.8) 15(2.7,-0.9) 16(2.7,0) 17(2.7,0.9) 18(2.7,1.8) 19(2.7,2.7) 20(1.8,2.7) 21(0.9,2.7) 22(0,2.7) 23(-0.9,2.7) 24(-1.8,2.7)
  rect 4.4x4.4 smd paste-2.2: GND(0,0)
  silkscreen extent -3.68,-3.18 3.18,3.18, body extent -3,-3 3,3, height 0.97
RFPA3800_SOIC-8_v2 [mm] "SOIC, 8-Leads, Body 5.0x4.0mm (max), Pitch 1.27mm, IPC Medium Density"
  rect 2x0.6 smd: 1(-2.725,1.905) 2(-2.725,0.635) 3(-2.725,-0.635) 4(-2.725,-1.905) 5(2.725,-1.905) 6(2.725,-0.635) 7(2.725,0.635) 8(2.725,1.905)
  rect 2.8x3.7 smd: GND(0,0)
  silkscreen extent -2.16,-2.67 2.16,2.67, body extent -1.99,-2.49 1.99,2.49, height 1.73
SC70-5 [mm] "TI SC70 5-pin package"
  rect 0.35x0.85 smd mask+0.05: 1(-0.65,-1.1) 2(0,-1.1) 3(0.65,-1.1) 4(0.65,1.1) 5(-0.65,1.1)
  silkscreen extent -0.89,-0.4 0.89,0.4, body extent -1.25,-0.7 1.25,0.7, height 1.1
SC-70-6#1 [mm] "Fairchild SC-70 6-pin package"
  rect 0.4x0.5 smd: 1(-0.65,-1.9) 2(0,-1.9) 3(0.65,-1.9) 4(0.65,0) 5(0,0) 6(-0.65,0)
  silkscreen extent -0.89,-1.4 0.89,-0.51, body extent -1.1,-1.63 1.1,-0.28, height 1.1
SC-70-6#2 [mm] "Fairchild SC-70 6-pin package"
  rect 0.4x0.5 smd mask+0.05: 1(-0.65,-1.9) 2(0,-1.9) 3(0.65,-1.9) 4(0.65,0) 5(0,0) 6(-0.65,0)
  silkscreen extent -0.89,-1.4 0.89,-0.51, body extent -1.1,-1.63 1.1,-0.28, height 1.1
SKY13381-374LF_v6 [mm] "SKY13381_DPDT_Switch_MLPD_1.5x1.5mm"
  rrect30% 0.35x0.25 smd paste-0.025: 1(-0.725,0.5) 2(-0.725,0) 3(-0.725,-0.5) 4(0.725,-0.5) 5(0.725,0) 6(0.725,0.5)
  rrect30% 0.7x1.2 smd paste-0.05: 7(0,0)
  silkscreen extent -1.14,-0.89 0.89,1.08, body extent -0.72,-0.72 0.72,0.72, height 0.5
SMA_PCB_RtAngle_Female_MolexSD-73391-008_v4 [mm] "SMA Female Jack Through-Mount Right Angle"
  round 2 hole 1.54: 1(0,0) GND(-2.54,2.54) GND(-2.54,-2.54) GND(2.54,2.54) GND(2.54,-2.54)
  silkscreen extent -3.81,-3.81 3.81,3.81, body extent -3.18,-3.18 3.18,11.65, height 10.07
SOT-23_5Lead [mm] "SOT-23, 5 Pin, for TI LP2985LV"
  rect 0.69x0.99 smd paste-0.05: 1(-0.955,-1.295) 2(0,-1.295) 3(0.955,-1.295) 4(0.955,1.295) 5(-0.955,1.295)
  silkscreen extent -1.62,-0.94 1.27,0.51, body extent -1.5,-0.83 1.5,0.83, height 1.19
TO252-3 [mm] "TO252-3 Footprint for ROHM BA7807FP-E2, 7V, 1A LDO"
  rect 1.2x2.3 smd: 1(-2.3,-3.95) 3(2.3,-3.95)
  rect 5.5x6.4 smd: 2(0,1.9)
  silkscreen extent -3.43,-2.54 3.43,5.33, body extent -3.35,-4.79 3.35,5.13, height 2.5
TO-263 [mm] "KTT TO-263 Land for TI TL780 LDO"
  rect 1x3.4 smd paste-0.07: 1(-2.54,-5.4) 2(0,-5.4) 3(2.54,-5.4)
  rect 10.7x8.6 smd paste-0.07: 2(0,5.4)
  silkscreen extent -5.59,-2.29 5.59,9.91, body extent -5.34,-6.58 5.34,9.27, height 4.83
TQP3M9009_SOT-89_v6 [mm] "SOT-89_Vias_Backplane"
  rect 0.86x1.27 smd: 1(0,0.635) 3(3,0.635)
  rect 0.84x1.85 smd: 2(1.5,0.925)
  rect 1.8x3.48 smd: 2(1.5,3.59)
  silkscreen extent -1.14,1.4 4.19,4.06, body extent -0.79,1.14 3.81,3.74, height 1.6
TSLP-2-17 [mm] "PG-TSLP-2-17_Infineon_ESD0P2RF_TVS_Diode"
  rect 0.6x0.35 smd paste-0.075: 1(0,0.325) 2(0,-0.325)
  silkscreen extent -0.51,-0.64 0.51,0.64, body extent -0.33,-0.53 0.33,0.53, height 0.4
TVSOP16_v5 [mm]
  rect 1.6x0.23 smd paste-0.04: 1(-2.981,1.392) 2(-2.981,0.992) 3(-2.981,0.592) 4(-2.981,0.192) 5(-2.981,-0.208) 6(-2.981,-0.608) 7(-2.981,-1.008) 8(-2.981,-1.408) 9(3.019,-1.408) 10(3.019,-1.008) 11(3.019,-0.608) 12(3.019,-0.208) 13(3.019,0.192) 14(3.019,0.592) 15(3.019,0.992) 16(3.019,1.392)
  silkscreen extent -1.42,-1.61 1.46,1.59, body extent -2.19,-1.91 2.31,1.79, height 1.2
USB_MICROB_SMT_R3 [mm] "USB Micro B, Standard (bottom mount), Shell SMT, Hirose"
  rect 0.4x1.6 smd mask+0.064: 1(2.85,-0.8) 2(3.5,-0.8) 3(4.15,-0.8) 4(4.8,-0.8) 5(5.45,-0.8)
  rect 1.8x1.9 smd: G1(0.15,-3.35) G2(8.15,-3.35)
  Top Layer region: 6.2,-1.6 8.3,-1.6 8.3,0 6.2,0
  Top Layer region: 2,-4.3 3.9,-4.3 3.9,-2.4 2,-2.4
  Top Layer region: 4.4,-4.3 6.3,-4.3 6.3,-2.4 4.4,-2.4
  Top Layer region: 0,-1.6 2.1,-1.6 2.1,0 0,0
XTAL_SMT_5_3-2_v2 [mm] "7A Crystal, 5 x 3.2mm body, 1.7 x 2.4mm pads"
  rect 1.7x2.4 smd: 1(0,0) 2(3.7,0)
  silkscreen extent -1.02,-1.65 4.7,1.65, body extent -0.72,-1.6 4.43,1.6, height 1.35